# Altium PCB RADC-B00-V00.PcbDoc (part 2 of 3)
Units mil, origin at the board's own origin, x right, y up, seen from the top; angles counter-clockwise.
Board outline 3937.01 x 3937.01 mil, 4 copper layers (Top Layer, Mid-Layer 1, Mid-Layer 2, Bottom Layer); 167 components, 147 nets, 593 pads, 295 vias.
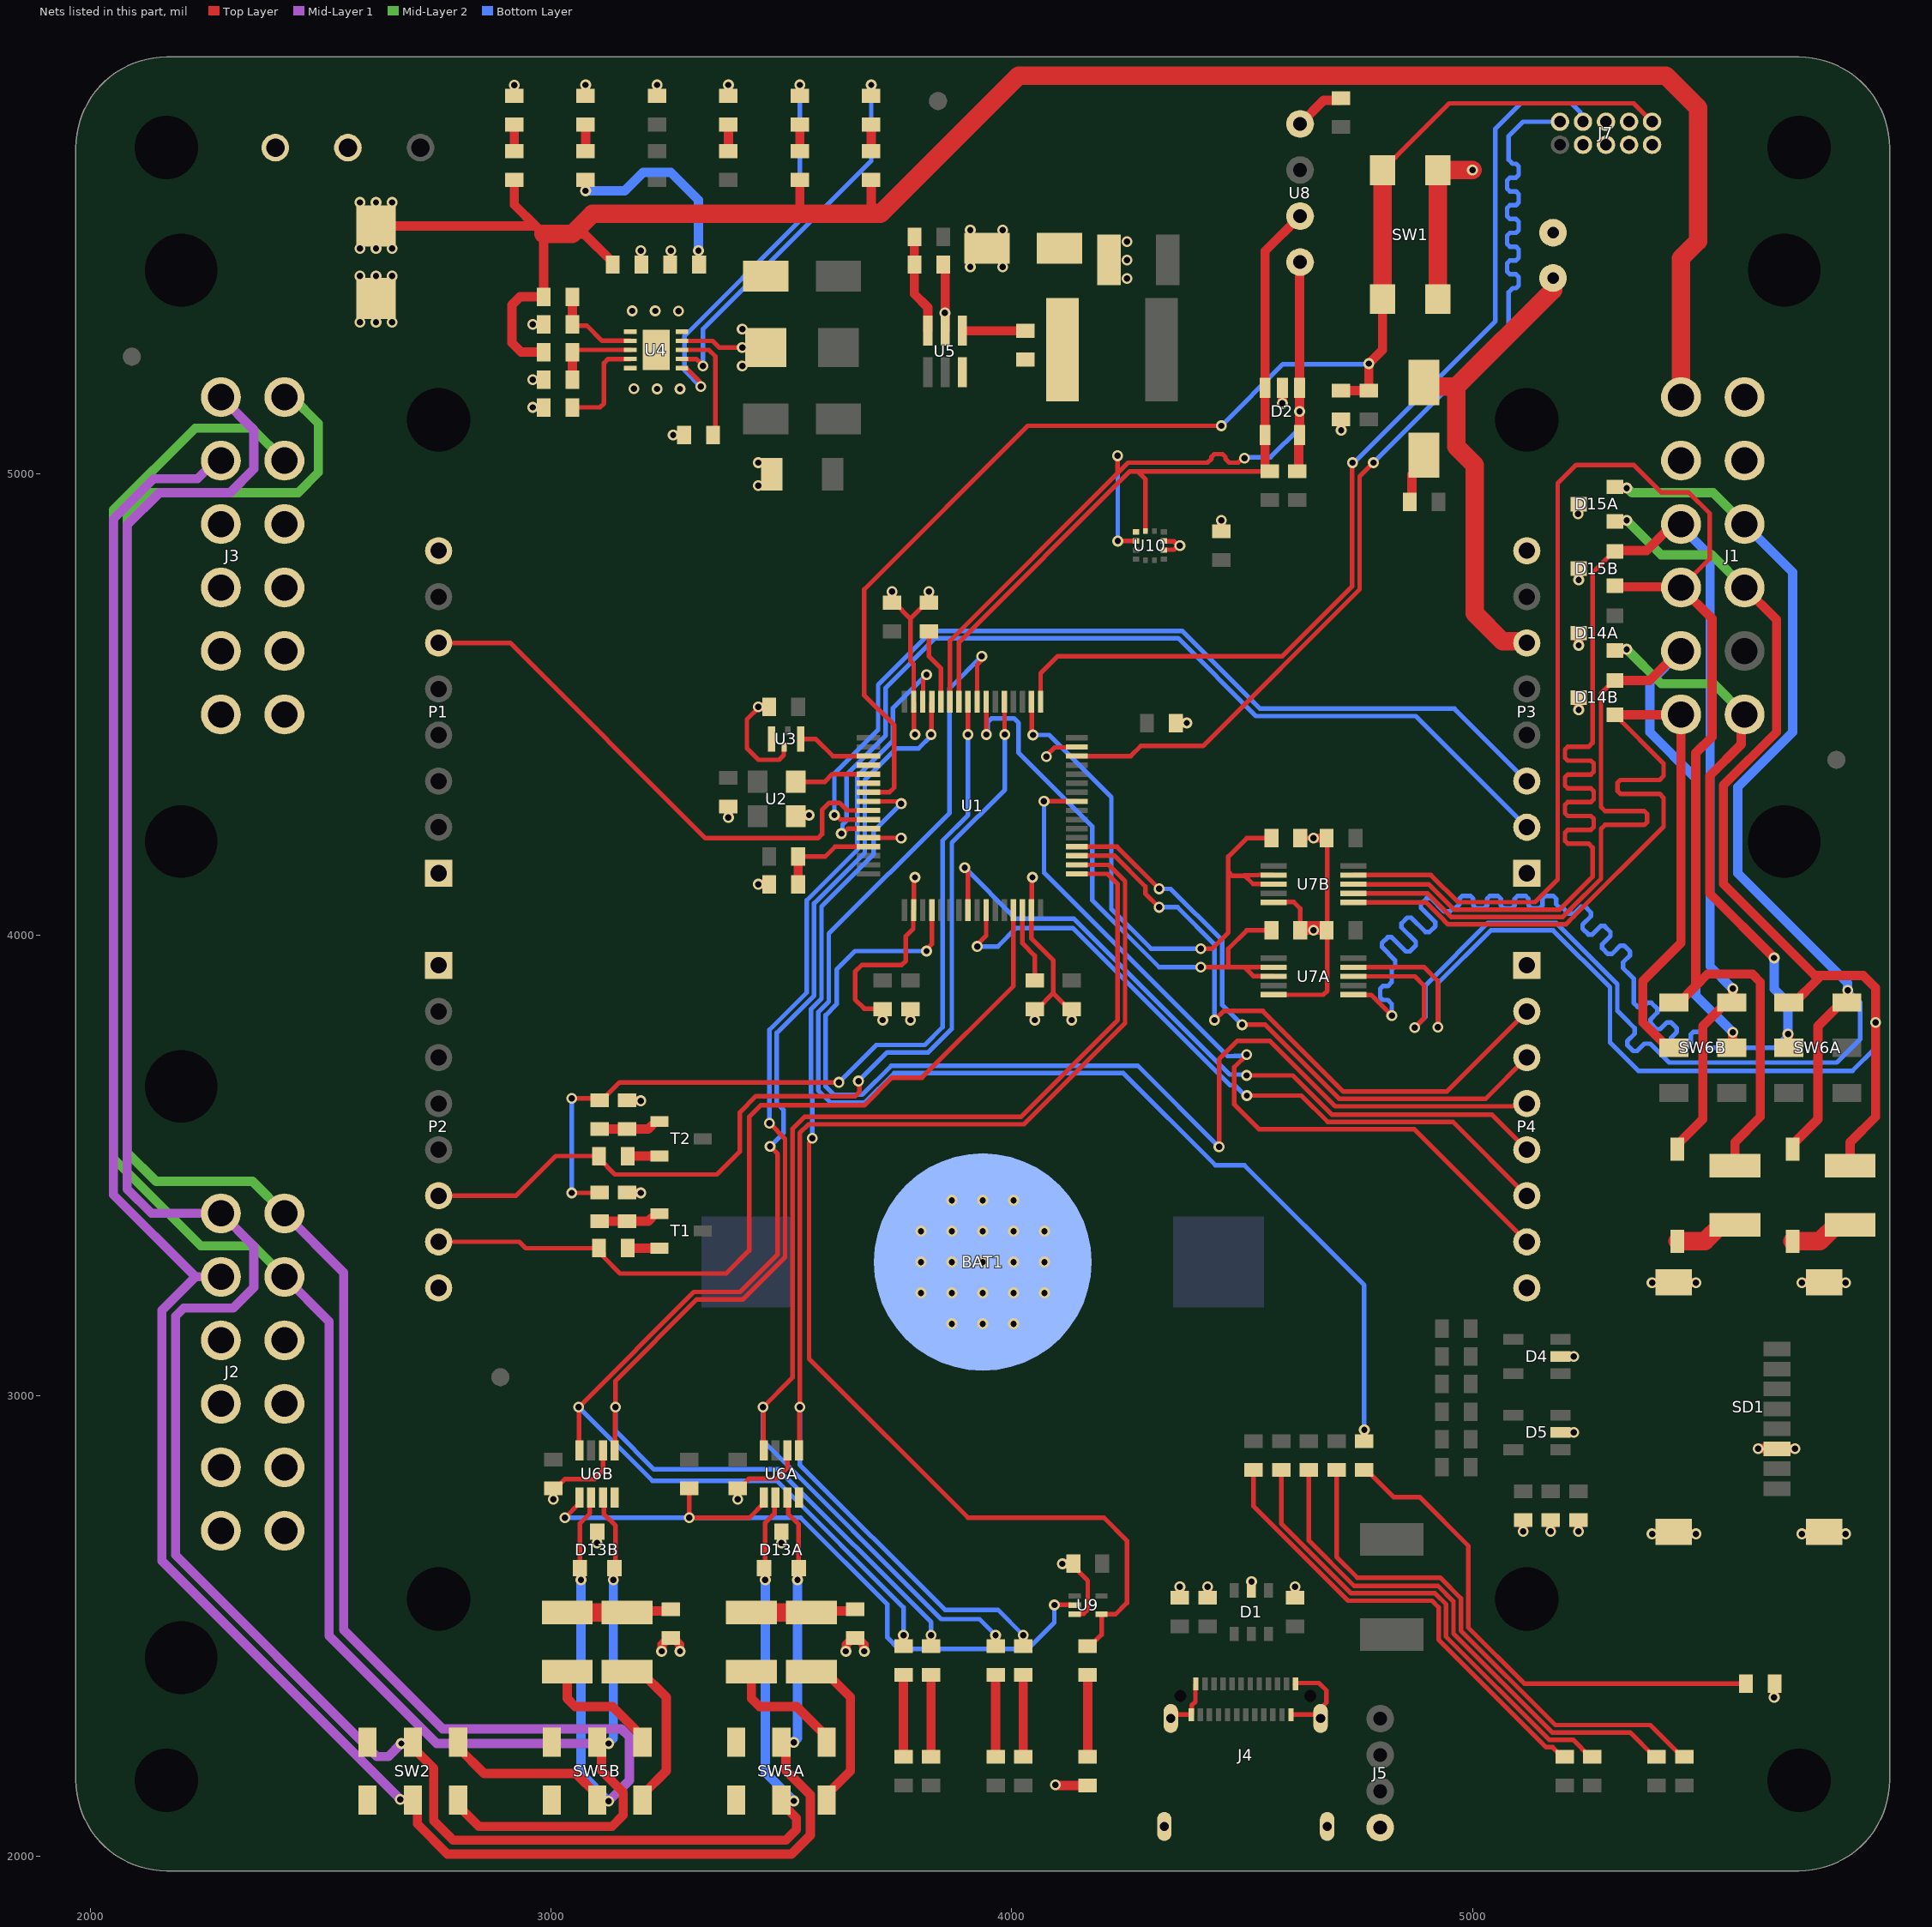
[diagram p4: the nets of this part, all layers, seen from the top]

## Via types
v1: diameter 23.62, hole 13.78, Top Layer to Bottom Layer, tented both sides, 295 vias

## Nets (pads, with @x,y where several pads share a name; then routed paths per layer and width w, separated by ;. In a path a pad name is that pad's centre, name@x,y a point inside that pad or via, vN(x,y) a via of type N, cw(c..) or ccw(c..) an arc to the next point about the centre after c; other vN are vias at no path point) (continued)
"3V3 LED": DS8.1 R31.1 | length 57.5
  Top Layer w20: R31.1@3385,5701.24 DS8.1@3385,5758.76
3V3A: C10.2 FB1.2 U1.13 | length 221.3
  Top Layer w10: FB1.2@3536.24,4170 3595,4170 3616.42,4191.42 U1.13@3688.62,4191.42
  Top Layer w20: C10.2@3536.24,4110 FB1.2@3536.24,4170
12V: C18.2 D7.A J1.6 J1.12 J2.4 J2.5 J2.10 J2.11 J3.4 J3.5 J3.10 J3.11 R17.2 R18.2 R19.2 R20.2 R21.2 TP2.1 U4.1 | length 4463.5
  Top Layer w20: D7.A@2620,5538.74 2966.26,5538.74 ; R17.2@2920,5638.76 2920,5585 2966.26,5538.74 ; R19.2@2983.76,5265 2935,5265 2915,5285 2915,5367.43 2932.57,5385 R18.2@2983.76,5385 2983.76,5521.24 2966.26,5538.74 ; 3046.24,5521.24 3072.53,5521.24 3133.76,5460 C18.2@3133.76,5455 ; 3540,5565 R21.2@3540,5638.76 R21.2@3545,5643.76 ; R20.2@3695,5638.76 3695,5585 3715,5565
  Top Layer w40: 2983.76,5521.24 3046.24,5521.24 3090,5565 3540,5565 3715,5565 4015,5865 5420,5865 5490,5795 5490,5506.09 5452.76,5468.85 J1.6@5452.76,5167.32
  other v1: 2585,5490 2620,5490 2655,5490 2585,5590 2620,5590 2655,5590
"12V LED": DS3.1 R17.1 | length 57.5
  Top Layer w20: R17.1@2920,5701.24 DS3.1@2920,5758.76
12VP: C19.2 D10.A R22.2 U4.10 | length 425.2
  Top Layer w20: v1(3075,5615) R22.2@3075,5638.76 R22.2@3080,5638.76
  Bottom Layer w20: v1(3075,5615) 3160,5615 3200,5655 3260,5655 3320,5595 v1(3320,5485)
"12VP LED": DS6.1 R22.1 | length 57.5
  Top Layer w20: R22.1@3075,5701.24 DS6.1@3075,5758.76
BACKUP: CS1.A D6.K P3.6 | length 1044.8
  Top Layer w40: D6.K@4895,5198.74 4903.74,5190 4965,5190 ; P3.6@5118.11,4633.86 5114.46,4637.5 5065.15,4637.5 5005,4697.65 5005,5020 4965,5060 4965,5190 ; CS1.A@5175,5425.79 5175,5420.38 5175,5400 4965,5190
"CAN1 RX": R36B.1 U1.61 U6B.4 | length 3025.2
  Top Layer w10: U6B.4@3061.61,2881.18 3060.81,2881.99 3060.81,2974.19 v1(3060,2975) 3310,3225 3410,3225 3492,3307 3492,3524.31 v1(3475.44,3540.87) ; v1(3825,4435) 3825.71,4435.71 3825.71,4505.67 U1.61@3826.42,4506.38
  Top Layer w20: R36B.1@3765,2456.24 v1(3765,2480)
  Bottom Layer w10: v1(3060,2975) 3220,2815 3490.15,2815 3765,2540.15 v1(3765,2480) ; v1(3475.44,3540.87) 3505,3570.44 3505,3620 3490,3635 3490,3787.37 3571,3868.37 3571,4068.37 3681,4178.37 3681,4336 3750,4405 3797.92,4405 3825,4432.08 v1(3825,4435)
"CAN1 TX": R35B.1 U1.62 U6B.1 | length 3073.6
  Top Layer w10: U6B.1@3138.39,2881.18 3139.19,2881.99 3139.19,2974.19 v1(3140,2975) 3140,3032.37 3316.63,3209 3416.63,3209 3508,3300.37 3508,3557.63 v1(3474.25,3591.38) ; U1.62@3806.73,4506.38 3807.64,4507.28 3807.64,4553.95 3815,4561.31 v1(3815,4565)
  Top Layer w20: R35B.1@3825,2456.24 v1(3825,2480)
  Bottom Layer w10: v1(3140,2975) 3140,2923.28 3223.28,2840 3493.43,2840 3825,2508.43 v1(3825,2480) ; v1(3474.25,3591.38) 3474,3591.63 3474,3794 3555,3875 3555,4075 3665,4185 3665,4345 3742.31,4422.31 3742.31,4492.31 v1(3815,4565)
CAN1_N: D13B.1 J2.1 J3.1 SW2.4 SW5B.2 U6B.6 | length 5355.6
  Top Layer w10: D13B.1@3062.6,2625.63 3062.6,2722.6 3084.27,2744.27 3084.27,2775.89 U6B.6@3087.2,2778.82
  Top Layer w20: SW2.4@2798.43,2247.99 2798.43,2236.18 2854.61,2180 3053.82,2180 3100,2133.82 SW5B.2@3100,2122.01 3102.01,2120 v1(3125,2120) ; D13B.1@3062.6,2625.63 3064.31,2623.92 3064.31,2600.69 v1(3065,2600)
  Mid-Layer 1 w20: J2.1@2421.26,3395.67 2550,3266.93 2550,2491.77 2764.96,2276.81 3152.43,2276.81 3170,2259.24 3170,2165 v1(3125,2120)
  Mid-Layer 2 w20: J2.1@2421.26,3395.67 2351.93,3465 2142.43,3465 2080,3527.43 2080,4910 2130,4960 2451.16,4960 2495,5003.84 2495,5110 2437.68,5167.32 J3.1@2421.26,5167.32
  Bottom Layer w20: v1(3065,2600) 3065,2180 v1(3125,2120)
CAN1_P: D13B.2 J2.2 J3.2 SW2.1 SW5B.5 U6B.7 | length 5036.7
  Top Layer w10: U6B.7@3112.8,2778.82 3114.64,2776.98 3114.64,2743.18 3140,2717.82 3140,2628.23 D13B.2@3137.4,2625.63
  Top Layer w20: SW2.1@2798.43,2122.01 2798.43,2110.2 2843.62,2065 3132.43,2065 3156.81,2089.38 3156.81,2139.01 3109.69,2186.13 3109.69,2238.31 SW5B.5@3102.99,2245 ; SW5B.5@3100,2247.99 SW5B.5@3102.99,2245 ; v1(3125,2245) SW5B.5@3102.99,2245 ; v1(3135,2600) 3135.69,2600.69 3135.69,2623.92 D13B.2@3137.4,2625.63
  Mid-Layer 1 w20: J2.2@2421.26,3257.87 2518.19,3160.94 2518.19,2478.59 2751.78,2245 v1(3125,2245)
  Mid-Layer 2 w20: J2.2@2421.26,3257.87 2354.13,3325 2240,3325 2050,3515 2050,4922.43 2227.57,5100 2350.79,5100 J3.2@2421.26,5029.53
  Bottom Layer w20: v1(3125,2245) 3125,2245.98 3135,2255.98 v1(3135,2600)
"CAN2 RX": R36A.1 U1.33 U6A.4 | length 2698.4
  Top Layer w10: U6A.4@3461.61,2881.18 3460.81,2881.99 3460.81,2974.19 v1(3460,2975) 3524,3039 3524,3579 3550,3605 4020,3605 4230,3815 4230,4110 4207.64,4132.36 U1.33@4141.38,4132.36
  Top Layer w20: R36A.1@3965,2456.24 v1(3965,2480)
  Bottom Layer w10: v1(3460,2975) 3460,2901.72 3846.72,2515 3930,2515 v1(3965,2480)
"CAN2 TX": R35A.1 U1.34 U6A.1 | length 2708.8
  Top Layer w10: U6A.1@3538.39,2881.18 3539.19,2881.99 3539.19,2974.19 v1(3540,2975) 3540,3570 3559,3589 4011.63,3589 4026.63,3589 4246,3808.37 4246,4116.63 4210.58,4152.05 U1.34@4141.38,4152.05
  Top Layer w20: R35A.1@4025,2456.24 v1(4025,2480)
  Bottom Layer w10: v1(3540,2975) 3540,2850 3855,2535 3970,2535 v1(4025,2480)
CAN2_N: D13A.1 J2.7 J3.7 SW2.5 SW5A.2 U6A.6 | length 5589.8
  Top Layer w10: D13A.1@3462.6,2625.63 3465,2628.03 3465,2723.9 3484.82,2743.72 3484.82,2776.44 U6A.6@3487.2,2778.82
  Top Layer w20: v1(2675,2245) 2691.18,2245 2745,2191.18 2745,2077.43 2787.43,2035 3509.65,2035 3532.74,2058.09 3532.74,2082.94 3515.17,2100.51 3509.69,2100.51 3500,2110.2 SW5A.2@3500,2122.01 3525.02,2122.01 v1(3526.81,2120.21) ; D13A.1@3462.6,2625.63 3464.31,2623.92 3464.31,2600.69 v1(3465,2600)
  Mid-Layer 1 w20: J3.7@2283.46,5167.32 2355,5095.79 2355,5011.53 2303.47,4960 2150,4960 2080,4890 2080,3448.32 2132.65,3395.67 J2.7@2283.46,3395.67 2355,3324.13 2355,3235 2310,3190 2202.57,3190 2185,3172.43 2185,2653.8 2621.97,2216.83 2646.83,2216.83 v1(2675,2245)
  Bottom Layer w20: v1(3465,2600) 3465,2182.02 v1(3526.81,2120.21)
CAN2_P: D13A.2 J2.8 J3.8 SW2.2 SW5A.5 U6A.7 | length 5208
  Top Layer w10: U6A.7@3512.8,2778.82 3514.86,2776.75 3514.86,2743.41 3537.4,2720.87 D13A.2@3537.4,2625.63
  Top Layer w20: v1(2672.89,2123.49) 2698.52,2123.49 SW2.2@2700,2122.01 2709.69,2112.32 2709.69,2070.31 2775,2005 3522.08,2005 3562.74,2045.66 3562.74,2133.08 3509.69,2186.13 SW5A.5@3509.69,2238.31 ; SW5A.5@3500,2247.99 3509.69,2247.99 3509.69,2247.06 v1(3526.68,2247.06) ; v1(3535,2600) 3535.69,2600.69 3535.69,2623.92 D13A.2@3537.4,2625.63
  Mid-Layer 1 w20: J2.8@2283.46,3257.87 2228.02,3257.87 ; J3.8@2283.46,5029.53 2272.11,5029.53 2232.58,4990 2137.57,4990 2050,4902.43 2050,3435.9 2228.02,3257.87 ; v1(2672.89,2123.49) 2155,2641.37 2155,3184.85 2228.02,3257.87
  Bottom Layer w20: v1(3526.68,2247.06) 3526.68,2248.04 3535,2256.37 v1(3535,2600)
"CAN FAULT": R1.1 U6A.5 U6B.5 U9.2 | length 1628.1
  Top Layer w10: v1(3030,2735) 3030.59,2735 3061.61,2766.02 U6B.5@3061.61,2778.82 ; v1(3300,2735) v1@3305,2740 ; R1.1@3300,2798.76 3300,2745 v1@3305,2740 ; U6A.5@3461.61,2778.82 3461.61,2766.02 3430.59,2735 3310,2735 v1@3305,2740 ; v1(4092.55,2545.62) 4093.12,2546.19 U9.2@4126.29,2546.19
  Bottom Layer w10: v1(3030,2735) v1(3300,2735) 3541.86,2735 3730,2546.86 3730,2475 3755,2450 4035,2450 4092.55,2507.55 v1(4092.55,2545.62)
"CAN FAULT INV": R46.2 U1.8 U9.4 | length 2502
  Top Layer w10: v1(3566.81,3558.89) 3566.81,3555.21 3560,3548.4 3560,3080 3905,2735 4200,2735 4250,2685 4250,2550 4225.63,2525.63 U9.4@4195,2525.63 4195,2481.24 4170,2456.24 R46.2@4165,2456.24 ; U1.8@3688.62,4289.84 3751.47,4289.84 3756.31,4285 v1(3760,4285)
  Bottom Layer w10: v1(3566.81,3558.89) 3566.81,3652.93 3564,3655.75 3564,3838.75 3587,3861.75 3587,4061.75 3700,4174.75 3700,4225 v1(3760,4285)
"CAN FAULT LED": DS1.1 R46.1 | length 177.5
  Top Layer w20: DS1.1@4165,2216.24 R46.1@4165,2393.76
"CAN N TERM": SW2.6
"CAN P TERM": SW2.3
"CAN RX LEDA": DS10A.2 R36A.2 | length 177.5
  Top Layer w20: DS10A.2@3965,2216.24 R36A.2@3965,2393.76
"CAN RX LEDB": DS10B.2 R36B.2 | length 177.5
  Top Layer w20: DS10B.2@3765,2216.24 R36B.2@3765,2393.76
"CAN SILENTA": U6A.8
"CAN SILENTB": U6B.8
"CAN SPLIT BTM UNUSEDA": SW5A.3
"CAN SPLIT BTM UNUSEDB": SW5B.3
"CAN SPLIT BTMA": R33A.1 SW5A.1 | length 352.9
  Top Layer w20: R33A.1@3565,2401.01 3594.53,2401.01 3650,2345.54 3650,2185.39 3598.43,2133.82 SW5A.1@3598.43,2122.01
"CAN SPLIT BTMB": R33B.1 SW5B.1 | length 352.9
  Top Layer w20: R33B.1@3165,2401.01 3194.53,2401.01 3250,2345.54 3250,2185.39 3198.43,2133.82 SW5B.1@3198.43,2122.01
"CAN SPLIT TOP UNUSEDA": SW5A.6
"CAN SPLIT TOP UNUSEDB": SW5B.6
"CAN SPLIT TOPA": R32A.2 SW5A.4 | length 268
  Top Layer w20: R32A.2@3435,2401.01 3435,2342.57 3452.57,2325 3533.23,2325 3598.43,2259.8 SW5A.4@3598.43,2247.99
"CAN SPLIT TOPB": R32B.2 SW5B.4 | length 268
  Top Layer w20: R32B.2@3035,2401.01 3035,2342.57 3052.57,2325 3133.23,2325 3198.43,2259.8 SW5B.4@3198.43,2247.99
"CAN SPLITA": C12A.2 R32A.1 R33A.2 | length 228
  Top Layer w20: R33A.2@3565,2528.99 3568.62,2532.61 3656.38,2532.61 C12A.2@3660,2536.24
  Top Layer w40: R32A.1@3435,2528.99 R33A.2@3565,2528.99
"CAN SPLITB": C12B.2 R32B.1 R33B.2 | length 228
  Top Layer w20: R33B.2@3165,2528.99 3168.62,2532.61 3256.38,2532.61 C12B.2@3260,2536.24
  Top Layer w40: R32B.1@3035,2528.99 R33B.2@3165,2528.99
"CAN TX LEDA": DS9A.2 R35A.2 | length 177.5
  Top Layer w20: DS9A.2@4025,2216.24 R35A.2@4025,2393.76
"CAN TX LEDB": DS9B.2 R35B.2 | length 177.5
  Top Layer w20: DS9B.2@3825,2216.24 R35B.2@3825,2393.76
"CAP CHARGE": D6.A R23.2 | length 114.2
  Top Layer w20: R23.2@4863.76,4940 4868.76,4945 4868.76,4999.28 D6.A@4895,5025.51 ; D6.A@4915,5025.51 D6.A@4915,5041.26
DETECT: P1.6 U1.9 | length 1177.6
  Top Layer w10: P1.6@2755.91,4633.86 2911.14,4633.86 3335,4210 3579.4,4210 3588.19,4218.79 3588.19,4271.11 3603.89,4286.81 3626.11,4286.81 3642.76,4270.16 U1.9@3688.62,4270.16
GND: BAT1.2 C1.1 C2.1 C3.1 C4.1 C5.1 C6.1 C7.1 C8.1 C9.1 C10.1 C11.1 C12A.1 C12B.1 C13.1 C14.1 C15.1 C16.1 C17.1 C18.1 C19.1 C21.1 C22.1 C23A.2 C23B.2 C24A.2 C24B.2 C25.1 CS1.K D1.2 D2.2 D4.2 D5.2 D7.K D9.A D11.K D13A.3 D13B.3 D14A.3 D14B.3 D15A.3 D15B.3 DS1.2 DS2.2 DS3.2 DS6.2 DS7.2 DS8.2 J1.5 J1.11 J2.3 J2.6 J2.9 J2.12 J3.3 J3.6 J3.9 J3.12 J4.A1 J4.A12 J4.B1 J4.B12 J4.S1 J4.S2 J4.S3 J4.S4 J5.4 J7.3 J7.7 J7.9 P1.1 P1.8 P2.1 P2.8 P3.1 P3.8 P4.1 P4.8 R3.1 R24.1 R25.1 R26.1 R27.1 R28.1 R34.1 R37.1 R41A.1 R41B.1 R44.1 R45.1 SD1.6 SD1.9 SD1.10 SD1.11 SD1.12 SW1.3 SW1.4 TP1.1 U1.12 U1.18 U1.31 U1.47 U1.63 U2.2 U3.2 U4.9 U4.11 U5.2 U6A.2 U6B.2 U7A.5 U7B.5 U8.1 U9.3 U10.1 U10.8 U10.9 | length 5439.2
  Top Layer w10: DS3.2@2920,5821.24 2920,5844.42 v1(2920.27,5844.69) ; v1(3005,2775) C23B.2@3005,2798.76 3010,2798.76 3030.24,2819 3094,2819 3112.8,2837.8 U6B.2@3112.8,2881.18 ; DS6.2@3075,5821.24 v1(3075,5845) ; DS7.2@3230,5821.24 v1(3230,5845) ; U4.9@3284.13,5289.45 3284.21,5289.37 3350.63,5289.37 3365,5275 v1(3415,5275) D11.K@3466.26,5275 ; DS8.2@3385,5821.24 v1(3385,5845) ; v1(3405,2775) C23A.2@3405,2798.76 3410,2798.76 3420,2808.76 3420,2810 3430,2820 3490,2820 3512.8,2842.8 U6A.2@3512.8,2881.18 ; v1(3450,4495) 3450,4492.94 3425,4467.94 3425,4405 3450,4380 3495,4380 3505.16,4390.16 3505.16,4406.38 U3.2@3506.06,4407.28 ; U1.12@3688.62,4211.1 3689.17,4210.55 3759.45,4210.55 v1(3760,4210) ; C9.1@3720,3838.76 3718.76,3840 3680,3840 3660,3860 3660,3920 3675,3935 3761.21,3935 3770,3943.79 3770,3997.37 3786.14,4013.51 3786.14,4052.72 3787.95,4054.53 3787.95,4122.95 v1(3790,4125) ; C8.1@3740,4721.24 3745,4721.24 3780,4686.24 ; v1(3790,4435) 3787.95,4437.05 3787.95,4505.47 U1.63@3787.05,4506.38 3787.05,4587.95 3780,4595 3780,4686.24 ; R3.1@3820,4721.24 3815,4721.24 3780,4686.24 ; v1(4045,4125) 4043.86,4123.86 4043.86,4054.53 U1.31@4042.95,4053.62 4042.95,3992.05 4090,3945 4090,3873.76 ; C11.1@4050,3838.76 4055,3838.76 4090,3873.76 ; v1(4075.14,4387.23) 4075.14,4389.09 4093.11,4407.05 4140.47,4407.05 U1.47@4141.38,4407.95 ; C6.1@4130,3838.76 4125,3838.76 4090,3873.76 ; C13.1@4133.76,2635 4133.76,2630 4165,2598.76 4165,2535.32 4156.21,2526.54 4137.64,2526.54 U9.3@4136.73,2525.63 ; U10.8@4330.51,4835.16 4331.42,4836.06 4352.38,4836.06 v1@4361.31,4845 ; U10.9@4330.51,4854.84 4331.42,4853.94 4352.38,4853.94 v1@4361.31,4845 ; J4.S1@4345.28,2299.25 4353.54,2307.52 J4.B12@4389.76,2307.52 4390.67,2308.43 4390.67,2327.64 4398.7,2335.67 4398.7,2373.54 J4.A1@4399.61,2374.45 ; v1(4365,4845) v1@4361.31,4845 ; D1.2@4520,2577.24 4520.24,2577.49 4520.24,2595.93 v1(4520.49,2596.17) ; U7A.5@4568.39,3870.63 4569.02,3870 4676.21,3870 4685,3878.79 4685,4008.76 C24A.2@4683.76,4010 ; U7B.5@4568.39,4070.63 4569.29,4071.54 4612.16,4071.54 4626.24,4057.46 R41A.1@4626.24,4016.88 ; J4.B1@4606.3,2307.52 J4.B1@4607.2,2308.43 ; J4.B1@4607.2,2312.76 J4.B1@4607.2,2308.43 ; J4.A12@4615.24,2373.54 J4.A12@4616.14,2374.45 4616.14,2375.37 4617.05,2376.28 4666.71,2376.28 4682.99,2359.99 4682.99,2333.34 4670.47,2320.82 J4.S2@4670.47,2299.25 4662.2,2307.52 4607.2,2307.52 J4.B1@4607.2,2308.43 ; R41A.1@4626.24,4010 4626.24,4015 4636.24,4025 4685,4025 4685,4208.76 C24B.2@4683.76,4210 ; R41B.1@4626.24,4210 v1(4655,4210)
  Top Layer w20: v1(3100,2680) D13B.3@3100,2704.37 ; R28.1@3165,3441.24 3165.62,3440.62 3194.38,3440.62 v1(3195,3440) ; R37.1@3165,3641.24 3165.62,3640.62 3194.38,3640.62 v1(3195,3640) ; v1(3240,2445) 3240.69,2445.69 3240.69,2459.46 3255,2473.76 C12B.1@3260,2473.76 3265,2473.76 3279.31,2459.46 3279.31,2445.69 v1(3280,2445) ; v1(3385,4255) C2.1@3385,4278.76 ; v1(3450,4110) C10.1@3473.76,4110 ; v1(3450,4495) C3.1@3473.76,4495 ; v1(3500,2680) D13A.3@3500,2704.37 ; U2.2@3531.34,4257.6 3533.05,4259.31 3559.31,4259.31 v1(3560,4260) ; U2.2@3531.34,4267.6 U2.2@3533.05,4269.31 ; v1(3640,2445) 3640.69,2445.69 3640.69,2459.46 3655,2473.76 C12A.1@3660,2473.76 3665,2473.76 3679.31,2459.46 3679.31,2445.69 v1(3680,2445) ; v1(3720,3815) C9.1@3720,3838.76 ; C8.1@3740,4721.24 v1(3740,4745) ; v1(3780,3815) C5.1@3780,3838.76 ; R3.1@3820,4721.24 v1(3820,4745) ; R34.1@3851.24,5455 3855.41,5450.82 U5.2@3855.41,5311.7 ; v1(4050,3815) C11.1@4050,3838.76 ; v1(4095,2155) 4095.98,2155 4097.22,2153.76 DS1.2@4165,2153.76 ; v1(4110,2635) C13.1@4133.76,2635 ; v1(4130,3815) C6.1@4130,3838.76 ; C7.1@4356.24,4460 v1(4380,4460) ; C1.1@4365,2561.24 v1(4365,2585) ; R44.1@4425,2561.24 v1(4425,2585) ; C14.1@4455,4876.24 v1(4455,4900) ; v1(4587.42,5153.56) D2.2@4587.4,5187.36 ; R45.1@4615,2561.24 v1(4615,2585) ; U8.1@4625.98,5760.24 4676.98,5811.24 4710,5811.24 C25.1@4715,5816.24 ; R41A.1@4626.24,4010 v1(4655,4010) C24A.2@4683.76,4010 ; v1(4655,4210) C24B.2@4683.76,4210 ; v1(4715,5095) C4.1@4715,5118.76 ; v1(5110,2705) C16.1@5110,2730 ; v1(5170,2705) C17.1@5170,2730 ; D5.2@5191.18,2920 v1(5220,2920) ; D4.2@5191.18,3085 v1(5220,3085) ; v1(5229.16,4914.16) 5229.85,4914.85 5229.85,4934.22 D15A.3@5230.63,4935 ; v1(5230,2705) C15.1@5230,2730 ; v1(5230.61,4770.61) D15B.3@5230.63,4795 ; v1(5230.62,4488.68) D14B.3@5230.63,4515 ; v1(5230.63,4628.49) D14A.3@5230.63,4655 ; SD1.10@5436.61,2704.33 5440.25,2700.69 5484.31,2700.69 v1(5485,2700) ; SD1.11@5436.61,3245.67 5436.95,3245.33 5484.67,3245.33 v1(5485,3245) ; v1@5620.18,2885.18 SD1.6@5658.8,2885.18 ; v1(5655,2345) 5655.62,2345.62 5655.62,2374.38 DS2.2@5656.24,2375 ; SD1.6@5661.02,2884.65 5661.2,2884.82 5699.82,2884.82 v1(5700,2885) ; v1(5715,2700) 5715.69,2700.69 5759.75,2700.69 SD1.9@5763.39,2704.33 ; v1(5715,3245) 5715.33,3245.33 5763.05,3245.33 SD1.12@5763.39,3245.67
  Top Layer w40: SW1.3@4925,5380 SW1.4@4925,5660 v1(5000,5660)
  other v1: 5390,2700 5810,2700 5620,2885 3870,3155.98 3937.01,3155.98 4004.02,3155.98 3802.99,3222.99 3870,3222.99 3937.01,3222.99 4004.02,3222.99 4071.02,3222.99 5390,3245 5810,3245 3802.99,3290 3870,3290 3937.01,3290 4004.02,3290 4071.02,3290 3802.99,3357.01 3870,3357.01 3937.01,3357.01 4004.02,3357.01 4071.02,3357.01 3870,3424.02 3937.01,3424.02 4004.02,3424.02 3450,4975 3450,5025 3265,5085 2960,5145 3179.65,5185.35 3230,5185 3280,5185 2960,5205 3415,5235 3415,5315 2960,5325 2585,5330 2620,5330 2655,5330 3855,5350 3276.41,5354.18 3176.06,5354.53 3226.06,5354.53 4250,5425 2585,5430 2620,5430 2655,5430 3910,5450 3980,5450 4250,5465 3195,5485 3260,5485 4250,5505 3910,5530 3980,5530
"I2C1 SCL": D2.3 D2.4 R10.1 U1.58 U8.3 U10.12 | length 1681.3
  Top Layer w10: U1.58@3885.47,4506.38 3885.47,4635.22 4256.49,5006.24 4273.25,5006.24 ; U10.12@4290.16,4876.5 4290.08,4876.57 4290.08,4989.4 4273.25,5006.24 ; R10.1@4555,5006.24 4273.25,5006.24
  Top Layer w20: R10.1@4560,5006.24 4555,5006.24 4550,5011.24 D2.4@4550,5085 D2.3@4550,5187.36 4550,5484.25 U8.3@4625.98,5560.24
"I2C1 SDA": D2.1 D2.5 R9.1 U1.59 U8.4 U10.2 | length 1856.2
  Top Layer w10: U1.59@3865.79,4506.38 3865.79,4638.16 4231.31,5003.69 ; v1(4230,5040) 4230,5005 4231.31,5003.69 ; v1@4230.15,4854.85 U10.2@4269.49,4854.84 ; v1(4505,5035) 4501.31,5035 4495,5028.69 4491.31,5025 4472.46,5025 4463.68,5033.79 4463.68,5037.6 4457.68,5043.6 4439.68,5043.6 4433.68,5037.6 4433.68,5033.79 4424.89,5025 4419.89,5025 4252.63,5025 4231.31,5003.69
  Top Layer w20: R9.1@4620,5006.24 4622.99,5009.23 4622.99,5083.19 D2.5@4624.8,5085 v1(4624.8,5136.18) D2.1@4624.8,5187.36 4625,5187.56 4625,5459.25 U8.4@4625.98,5460.24
  Bottom Layer w10: v1(4230,5040) 4230.07,5039.93 v1(4230.15,4854.85) v1(4230.15,4854.85) ; v1(4505,5035) 4506.72,5036.72 4561.72,5036.72 4624.8,5099.8 v1(4624.8,5136.18)
"I2C2 EN": R5.2 R6.2 U1.57 | length 1867.1
  Top Layer w10: v1(3045,3440) 3103.76,3440 R5.2@3105,3441.24 ; v1(3045,3645) 3101.24,3645 R6.2@3105,3641.24 3110,3641.24 3148.76,3680 v1(3625,3680) ; v1(3905,4435) 3905.08,4435.08 3905.08,4506.3 U1.57@3905.16,4506.38
  Bottom Layer w10: v1(3045,3440) v1(3045,3645) ; v1(3625,3680) 3706,3761 3811,3761 3850,3800 3850,4205 3905,4260 v1(3905,4435)
"I2C2 SCL": P2.7 R42.1 U1.29 | length 1874.5
  Top Layer w10: P2.7@2755.91,3333.86 2931.14,3333.86 2945,3320 R42.1@3103.76,3320 3113.76,3310 3113.76,3301.24 3150,3265 3380,3265 3430,3315 3430,3605 3455,3630 3680,3630 3740,3690 3805,3690 4003.58,3888.58 U1.29@4003.58,4053.62
"I2C2 SCL EN": R5.1 R28.2 T1.B | length 136.6
  Top Layer w20: R5.1@3105,3378.76 R28.2@3165,3378.76 3211.09,3378.76 3227.13,3394.8 T1.B@3235,3394.8
"I2C2 SDA": P2.6 R43.1 U1.53 | length 2125.1
  Top Layer w10: P2.6@2755.91,3433.86 2923.86,3433.86 3010,3520 R43.1@3103.76,3520 3103.76,3515 3138.76,3480 3360,3480 3410,3530 3410,3615 3445,3650 3660.37,3650 3669.15,3658.79 3669.15,3680.85 v1(3667.23,3682.77) ; U1.53@3983.9,4506.38 3984.45,4505.83 3984.45,4435.55 v1(3985,4435)
  Bottom Layer w10: v1(3667.23,3682.77) 3729.46,3745 3818.78,3745 3870,3796.22 3870,4200 3985,4315 v1(3985,4435)
"I2C2 SDA EN": R6.1 R37.2 T2.B | length 136.6
  Top Layer w20: R6.1@3105,3578.76 R37.2@3165,3578.76 3211.09,3578.76 3227.13,3594.8 T2.B@3235,3594.8
"JTAG 5": J7.5
"JTAG 6": J7.6
"JTAG 8": J7.8
"MCU BOOT0": R3.2 U1.60 | length 163.2
  Top Layer w10: R3.2@3820,4658.76 3820,4605 3846.1,4578.9 U1.60@3846.1,4506.38
"MCU LED": R2.2 U1.56 | length 2944.3
  Top Layer w10: U1.56@3924.84,4506.38 3924.84,4586.16 3932.39,4593.71 3932.39,4602.39 v1(3935,4605) ; R2.2@4765,2901.24 4765.29,2901.53 v1(4765.29,2925.91)
  Bottom Layer w10: v1(3935,4605) 3865,4535 3865,4265 3603,4003 3603,3855.12 3580,3832.12 3580,3662.37 3606.19,3636.19 3681.19,3636.19 3745,3700 4242.08,3700 4442.08,3500 4505,3500 4765,3240 4765,2926.2 v1(4765.29,2925.91)
"MCU LED A": DS2.1 R2.1 | length 1124.8
  Top Layer w10: R2.1@4765,2838.76 4770,2838.76 4828.76,2780 4885,2780 4991,2674 4991,2496.63 5112.63,2375 DS2.1@5593.76,2375
"MCU RESET": C4.2 J7.10 R4.1 SW1.1 SW1.2 U1.7 | length 3031.4
  Top Layer w10: U1.7@3688.62,4309.53 3734.53,4309.53 3745,4320 3745,4455 3680,4520 3680,4750 4035,5105 v1(4455,5105) ; SW1.2@4805,5660 4805,5665 4827.5,5687.5 4832.5,5687.5 4950,5805 5350,5805 J7.10@5390,5765
  Top Layer w20: C4.2@4715,5181.24 R4.1@4775,5181.24 v1(4775,5240) 4805,5270 SW1.1@4805,5380
  Top Layer w40: SW1.1@4805,5380 SW1.2@4805,5660
  Bottom Layer w10: v1(4455,5105) 4588.72,5238.72 4773.72,5238.72 v1(4775,5240)
"MCU SWDCLK": J7.4 U1.49 | length 2177.9
  Top Layer w10: U1.49@4062.64,4506.38 4062.64,4567.64 4100,4605 4587.37,4605 4739,4756.63 4739,5024 v1(4740,5025)
  Bottom Layer w10: v1(4740,5025) 4742.92,5025 5050,5332.08 5050,5400 5050,5680 5050,5750 5105,5805 5215,5805 5234.26,5785.74 5234.26,5770.74 J7.4@5240,5765
"MCU SWDIO": J7.2 U1.46 | length 2176.2
  Top Layer w10: U1.46@4141.38,4388.27 4258.27,4388.27 4280,4410 4415,4410 4755,4750 4755,4995 v1(4785,5025)
  Bottom Layer w10: v1(4785,5025) 5078.81,5318.81 5078.81,5360 5078.81,5395 5087.6,5403.79 5094.47,5403.79 5100.47,5409.79 5100.47,5427.79 5094.47,5433.79 5081.35,5433.79 5075.35,5439.79 5075.35,5457.79 5081.35,5463.79 5094.47,5463.79 5100.47,5469.79 5100.47,5487.79 5094.47,5493.79 5081.35,5493.79 5075.35,5499.79 5075.35,5517.79 5081.35,5523.79 5094.47,5523.79 5100.47,5529.79 5100.47,5547.79 5094.47,5553.79 5081.35,5553.79 5075.35,5559.79 5075.35,5577.79 5081.35,5583.79 5094.47,5583.79 5100.47,5589.79 5100.47,5607.79 5094.47,5613.79 5081.35,5613.79 5075.35,5619.79 5075.35,5637.79 5081.35,5643.79 5094.47,5643.79 5100.47,5649.79 5100.47,5667.79 5094.47,5673.79 5087.6,5673.79 5078.81,5682.57 5078.81,5705.24 5078.81,5733.81 5110,5765 J7.2@5190,5765
"MCU VCAP1": C11.2 U1.30 | length 163.5
  Top Layer w10: U1.30@4023.27,4053.62 4023.27,3981.73 4050,3955 C11.2@4050,3901.24
"MODULE 1": P3.3 U1.10 | length 1991.4
  Top Layer w10: v1(3615,4260) 3618.69,4260 3628.21,4250.47 U1.10@3688.62,4250.47
  Bottom Layer w10: v1(3615,4260) 3615,4350 3710,4445 3710,4542.63 3827.37,4660 4370,4660 4539,4491 4960.97,4491 P3.3@5118.11,4333.86
"MODULE 3": P4.2 U1.35 | length 1382.7
  Top Layer w10: U1.35@4141.38,4171.73 4223.27,4171.73 4290,4105 4290,4090 v1(4320,4060) ; v1(4440,3815) 4460,3835 4545,3835 4720,3660 4944.25,3660 P4.2@5118.11,3833.86
  Bottom Layer w10: v1(4320,4060) 4360,4060 4440,3980 v1(4440,3815)
"MODULE 4": P4.3 U1.36 | length 1322.7
  Top Layer w10: U1.36@4141.38,4191.42 4228.58,4191.42 v1(4320,4100) ; v1(4500,3805) 4550,3805 4711,3644 5028.25,3644 P4.3@5118.11,3733.86
  Bottom Layer w10: v1(4320,4100) 4345,4100 4456.99,3988.01 4456.99,3848.01 v1(4500,3805)
"MODULE 5": P4.4 U1.20 | length 2465
  Top Layer w10: v1(3815,3965) 3815,3968.69 3826.42,3980.1 U1.20@3826.42,4053.62 ; v1(4450,3540) 4450,3730 4490,3770 4560,3770 4702,3628 5112.25,3628 P4.4@5118.11,3633.86
  Bottom Layer w10: v1(3815,3965) 3660,3965 3620,3925 3620,3849.49 3596,3825.49 3596,3671.08 3613.89,3653.19 3675.56,3653.19 3738.37,3716 4274,3716 v1(4450,3540)
"MODULE 6": P4.5 U1.24 | length 1569.4
  Top Layer w10: v1(3897.88,4146.16) 3905.16,4138.88 U1.24@3905.16,4053.62 ; v1(4510,3695) 4610,3695 4695,3610 5041.97,3610 P4.5@5118.11,3533.86
  Bottom Layer w10: v1(3897.88,4146.16) 4009.04,4035 4135,4035 4473.19,3696.81 4508.19,3696.81 v1(4510,3695)
"MODULE 7": P4.6 U1.26 | length 1537.1
  Top Layer w10: v1(3925,3975) 3925,3978.69 3944.53,3998.21 U1.26@3944.53,4053.62 ; v1(4510.36,3651.32) 4628.68,3651.32 4686,3594 4957.97,3594 P4.6@5118.11,3433.86
  Bottom Layer w10: v1(3925,3975) 3970,3975 4010,4015 4132.37,4015 4473.64,3673.73 4484.26,3673.73 4506.67,3651.32 v1(4510.36,3651.32)
"MODULE 8": P4.7 U1.41 | length 1710.3
  Top Layer w10: v1(4070,4290) 4070.08,4289.92 4141.3,4289.92 U1.41@4141.38,4289.84 ; v1(4510,3740) 4483.19,3713.19 4483.19,3631.81 4537,3578 4873.97,3578 P4.7@5118.11,3333.86
  Bottom Layer w10: v1(4070,4290) 4070,4135 4468.19,3736.81 4483.13,3736.81 4483.71,3737.39 4507.39,3737.39 v1(4510,3740)
"MOUDLE 2": P3.2 U1.11 | length 2025.6
  Top Layer w10: v1(3630,4220) 3633.69,4220 3644.47,4230.79 U1.11@3688.62,4230.79
  Bottom Layer w10: v1(3630,4220) 3632.61,4222.61 3632.61,4239.69 3641.81,4248.89 3641.81,4348.69 3726.31,4433.19 3726.31,4536.31 3834,4644 4361,4644 4530,4475 4876.97,4475 P3.2@5118.11,4233.86
NetR42_2: R42.2 T1.E | length 68.8
  Top Layer w20: R42.2@3166.24,3320 T1.E@3235,3320
NetR43_2: R43.2 T2.E | length 68.8
  Top Layer w20: R43.2@3165.72,3520 T2.E@3234.48,3520
"OSC32 NC": U3.1
"OSC 8Mhz": U1.5 U2.3 | length 173.3
  Top Layer w10: U2.3@3531.34,4332.4 3594.16,4332.4 3610.66,4348.9 U1.5@3688.62,4348.9 ; U2.3@3531.34,4342.4 U2.3@3537.83,4348.9
"OSC 8MHz NC": U1.6
"OSC 32kHz": U1.3 U3.3 | length 162.3
  Top Layer w10: U3.3@3541.5,4425 3575,4425 3611.73,4388.27 U1.3@3688.62,4388.27
"OSC 32KHz NC": U1.4
"PWR CB 3V3": C20.1 U5.1 | length 137.7
  Top Layer w20: U5.1@3892.81,5311.7 3892.81,5311.24 C20.1@4030,5311.24
"PWR CLMODE": R27.2 U4.4 | length 220.4
  Top Layer w10: R27.2@3046.24,5145 3106.21,5145 3115,5153.79 3115,5241.21 3123.79,5250 3171.85,5250 U4.4@3171.93,5250.08
"PWR EN 12V": U4.5
"PWR FB 3V3": R30.1 R34.2 U5.3 | length 215.4
  Top Layer w20: R30.1@3788.76,5515 R34.2@3788.76,5455 3788.76,5391.24 3818.01,5361.99 U5.3@3818.01,5311.7
"PWR FLAG": DS5.2 U4.6 | length 835.5
  Top Layer w10: U4.6@3284.13,5230.39 3292.83,5230.39 3322.39,5200.84 3322.39,5192.61 v1(3325,5190)
  Bottom Layer w10: v1(3325,5190) 3290,5225 3290,5300 3540,5550 v1(3540,5845)
"PWR LED FLAG": DS5.1 R21.1 | length 57.5
  Top Layer w20: R21.1@3540,5701.24 DS5.1@3540,5758.76
"PWR LED UVOV": DS4.1 R20.1 | length 57.5
  Top Layer w20: R20.1@3695,5701.24 DS4.1@3695,5758.76
"PWR OVLO": R19.1 R25.2 U4.3 | length 187.7
  Top Layer w10: R19.1@3046.24,5265 3051,5269.76 U4.3@3171.93,5269.76
  Top Layer w20: R25.2@3046.24,5205 R19.1@3046.24,5265
"PWR SETI": R26.2 U4.8 | length 251.3
  Top Layer w10: U4.8@3284.13,5269.76 3342.45,5269.76 3356.81,5255.4 3356.81,5090.57 R26.2@3351.24,5085
"PWR SW 3V3": C20.2 D9.K L1.1 U5.6
"PWR UVLO": R18.1 R24.2 U4.2 | length 200.4
  Top Layer w10: R24.2@3046.24,5325 3048.69,5322.55 3077.45,5322.55 3110.55,5289.45 U4.2@3171.93,5289.45
  Top Layer w20: R24.2@3046.24,5325 R18.1@3046.24,5385
"PWR UVOV": DS4.2 U4.7 | length 837.1
  Top Layer w10: U4.7@3284.13,5250.08 3314.92,5250.08 v1(3330,5235) ; DS4.2@3695,5821.24 v1(3695,5845)
  Bottom Layer w10: v1(3330,5235) 3330,5315 3695,5680 v1(3695,5845)
"RS485 RX LEDA": DS12A.2 R39A.2 | length 1020
  Top Layer w10: R39A.2@4525,2838.76 4525,2760 4730,2555 4912.12,2555 4926.67,2540.45 4926.67,2470.45 5160.12,2237 5174.24,2237 5195,2216.24 DS12A.2@5200,2216.24
"RS485 RX LEDB": DS12B.2 R39B.2 | length 1143.8
  Top Layer w10: R39B.2@4645,2838.76 4645,2685.25 4743.25,2587 4925.37,2587 4959,2553.37 4959,2502.49 4959,2483.37 5173.37,2269 5192.49,2269 5342.24,2269 5395,2216.24 DS12B.2@5400,2216.24
"RS485 TERMA": R40A.1 SW4A.2 | length 139.9
  Top Layer w40: SW4A.2@5695,3335 5754.46,3335 5790.47,3371.01 R40A.1@5820,3371.01
"RS485 TERMB": R40B.1 SW4B.2 | length 139.9
  Top Layer w40: SW4B.2@5445,3335 5504.46,3335 5540.47,3371.01 R40B.1@5570,3371.01
"RS485 TX LEDA": DS11A.2 R38A.2 | length 1041.9
  Top Layer w10: R38A.2@4585,2838.76 4585,2722.63 4736.63,2571 4918.75,2571 4942.67,2547.07 4942.67,2477.07 5166.75,2253 5218.24,2253 5255,2216.24 DS11A.2@5260,2216.24
"RS485 TX LEDB": DS11B.2 R38B.2 | length 1164.4
  Top Layer w10: R38B.2@4705,2838.76 4705,2650 4750,2605 4930,2605 4975,2560 4975,2490 5180,2285 5386.24,2285 5455,2216.24 DS11B.2@5460,2216.24
"RS485A A": D15B.1 J1.3 R40B.2 SW6B.3 U7B.9 | length 3618.5
  Top Layer w10: U7B.9@4741.61,4129.69 4741.93,4130 4910,4130 4969,4071 5135.52,4071 5185,4120.48 5185,4980 5225,5020 5350,5020 5410,4960 5470,4960 5515,4915 5515,4816.18 J1.3@5452.76,4753.94
  Top Layer w20: D15B.1@5309.37,4757.6 5311.2,4755.77 5450.93,4755.77 J1.3@5452.76,4753.94 5520,4686.69 5520,4430 5485,4395 5485,3889.61 ; SW6B.3@5437.01,3853.43 5448.82,3853.43 5485,3889.61 ; R40B.2@5570,3498.99 5570,3550 5625,3605 5625,3897.43 5607.43,3915 5510.39,3915 5485,3889.61
"RS485A B": D15B.2 J1.4 SW4B.1 SW6B.6 U7B.8 | length 3360
  Top Layer w10: U7B.8@4741.61,4110 4905.25,4110 4960.25,4055 5189.75,4055 5260.84,4126.1 5260.84,4184.4 5260.84,4189.4 5252.05,4198.18 5207,4198.18 5201,4204.18 5201,4222.18 5207,4228.18 5257.16,4228.18 5263.16,4234.18 5263.16,4252.18 5257.16,4258.18 5207,4258.18 5201,4264.18 5201,4282.18 5207,4288.18 5257.16,4288.18 5263.16,4294.18 5263.16,4312.18 5257.16,4318.18 5207,4318.18 5201,4324.18 5201,4342.18 5207,4348.18 5257.16,4348.18 5263.16,4354.18 5263.16,4372.18 5257.16,4378.18 5207,4378.18 5201,4384.18 5201,4402.18 5207,4408.18 5252.05,4408.18 5260.84,4416.97 5260.84,4440 5260.84,4785.84 5307.4,4832.4 D15B.2@5309.37,4832.4
  Top Layer w20: D15B.2@5309.37,4832.4 5311.06,4834.09 5378.44,4834.09 5436.09,4891.73 J1.4@5452.76,4891.73 ; SW4B.1@5445,3535 5445,3545.04 5500,3600.04 5500,3802.24 5551.18,3853.43 SW6B.6@5562.99,3853.43 5565,3855.43 v1(5565,3883.19)
  Bottom Layer w20: J1.4@5452.76,4891.73 5452.76,4886.39 5516.06,4823.08 5516.06,3932.13 v1(5565,3883.19)
"RS485A DIR": R41B.2 U1.50 U7B.2 U7B.3 | length 1294.6
  Top Layer w10: U1.50@4042.95,4506.38 4043.86,4505.47 4043.86,4436.14 v1(4046.04,4433.96) ; v1(4410,3970) 4435,3970 4470,4005 4470,4136.98 ; 4535.29,4129.69 4504.69,4129.69 ; 4537.16,4130.59 4567.48,4130.59 U7B.2@4568.39,4129.69 ; R41B.2@4563.76,4210 4510,4210 4470,4170 4470,4136.98 ; U7B.3@4568.39,4110 4567.8,4110.59 4523.78,4110.59 4504.69,4129.69 ; 4470,4136.98 4478.79,4128.19 4503.19,4128.19 4504.69,4129.69
  Bottom Layer w10: v1(4046.04,4433.96) 4081.04,4433.96 4216.31,4298.69 4216.31,4056.31 4302.63,3970 v1(4410,3970)
"RS485A Y": D14B.1 J1.1 SW6B.2 U7B.6 | length 2185.5
  Top Layer w10: U7B.6@4741.61,4070.63 4899.37,4070.63 4930,4040 4947,4023 5203,4023 5220,4040 5415,4235 5415,4292.5 5415,4297.5 5406.21,4306.29 5321,4306.29 5315,4312.29 5315,4330.29 5321,4336.29 5406.21,4336.29 5415,4345.07 5415,4355 5415,4371.97 D14B.1@5309.37,4477.6
  Top Layer w20: D14B.1@5309.74,4477.97 5452.38,4477.97 J1.1@5452.76,4478.35 5452.76,3982.76 5370,3900 5370,3810 5387.57,3792.43 5387.77,3792.43 5425.2,3755 SW6B.2@5437.01,3755
"RS485A Z": D14B.2 J1.2 SW6B.5 U7B.7 | length 2354.4
  Top Layer w10: U7B.7@4741.61,4090.32 4902.31,4090.32 4936.63,4056 4953.63,4039 5196.37,4039 5213.37,4056 5279.16,4121.79 5279.16,4195 5279.16,4230 5287.95,4238.79 5373.16,4238.79 5379.16,4244.79 5379.16,4262.79 5373.16,4268.79 5287.95,4268.79 5279.16,4277.57 5279.16,4285 5279.16,4524.16 5307.4,4552.4 D14B.2@5309.37,4552.4
  Top Layer w20: D14B.2@5309.37,4552.4 5384.54,4552.4 5448.28,4616.14 J1.2@5452.76,4616.14 ; SW6B.5@5562.99,3755 5565,3757.01 v1(5565,3788.81)
  Bottom Layer w20: J1.2@5452.76,4616.14 5385,4548.39 5385,4440 5485,4340 5485,3868.81 v1(5565,3788.81)
"RS485B A": D15A.1 J1.9 R40A.2 SW6A.3 U7A.9 | length 3649.8
  Top Layer w10: U7A.9@4741.61,3929.68 4895.31,3929.68 4925,3900 v1(4925,3800)
  Top Layer w20: D15A.1@5309.37,4897.6 5311.08,4899.31 5334.31,4899.31 v1(5335,4900) ; J1.9@5590.55,4753.94 5660,4684.49 5660,4440 5545,4325 5545,4110.39 5750.39,3905 5698.82,3853.43 SW6A.3@5687.01,3853.43 ; 5743.58,3911.81 5848.19,3911.81 5875,3885 v1(5875,3810) 5875,3605 5820,3550 R40A.2@5820,3498.99
  Mid-Layer 2 w20: v1(5335,4900) 5410,4825 5519.49,4825 J1.9@5590.55,4753.94
  Bottom Layer w10: v1(4925,3800) 4925,3895 5040,4010 5175,4010 5298.56,3886.44 5298.56,3766.44 5360,3705 5825,3705 5875,3755 v1(5875,3810)
"RS485B B": D15A.2 J1.10 SW4A.1 SW6A.6 U7A.8 | length 3637.5
  Top Layer w10: U7A.8@4741.61,3910 4875,3910 4895,3890 4895,3819.05 v1(4874.59,3798.64)
  Top Layer w20: D15A.2@5309.37,4972.4 5311.08,4970.69 5334.31,4970.69 v1(5335,4970) ; SW4A.1@5695,3535 5695,3545.04 5750,3600.04 5750,3802.24 5801.18,3853.43 SW6A.6@5812.99,3853.43 5815,3855.43 v1(5815,3880)
  Mid-Layer 2 w20: v1(5335,4970) 5335.98,4970 5345.98,4960 5522.28,4960 J1.10@5590.55,4891.73
  Bottom Layer w10: v1(4874.59,3798.64) 4898.21,3822.26 4898.21,3890.83 5033.37,4026 5181.63,4026 5314.56,3893.07 5314.56,3835.19 5327.37,3822.37 5352.12,3797.62 5352.12,3785.2 5336.22,3769.29 5336.22,3760.81 5348.94,3748.08 5357.43,3748.08 5373.33,3763.98 5385.76,3763.98 5426.75,3723 5790.92,3723 5841.81,3773.89 5841.81,3853.19 v1(5815,3880)
  Bottom Layer w20: J1.10@5590.55,4891.73 5695,4787.28 5695,4440 5576.06,4321.06 5576.06,4133.94 5814.31,3895.69 5814.31,3880.69 v1(5815,3880)
"RS485B DIR": R41A.2 U1.55 U7A.2 U7A.3 | length 1298.5
  Top Layer w10: U1.55@3944.53,4506.38 3944.76,4506.14 3944.76,4435.24 v1(3945,4435) ; v1(4410,3930) 4470,3930 ; 4485,3930 4470,3930 ; 4485.31,3929.68 4505.32,3929.68 ; 4535.29,3929.68 4505.32,3929.68 ; 4537.16,3930.59 4567.48,3930.59 U7A.2@4568.39,3929.68 ; R41A.2@4563.76,4010 4510,4010 4470,3970 4470,3930 ; U7A.3@4568.39,3910 4567.8,3910.59 4524.41,3910.59 4505.32,3929.68
  Bottom Layer w10: v1(3945,4435) 3947.61,4437.61 3947.61,4461.21 3956.39,4470 4005,4470 4015,4460 4015,4395 4175,4235 4175,4075 4320,3930 v1(4410,3930)
"RS485B Y": D14A.1 J1.7 SW6A.2 U7A.6 | length 3254
  Top Layer w10: U7A.6@4741.61,3870.63 4742.52,3869.72 4780.28,3869.72 v1(4825,3825)
  Top Layer w20: D14A.1@5309.37,4617.6 5311.08,4619.31 5334.31,4619.31 v1(5335,4620) ; J1.7@5590.55,4478.35 5583.47,4471.27 5583.47,4413.47 5515,4345 5515,4090 v1(5655,3950) ; v1(5685,3785) 5685,3757.01 SW6A.2@5687.01,3755
  Mid-Layer 2 w20: v1(5335,4620) 5410,4545 5523.9,4545 J1.7@5590.55,4478.35
  Bottom Layer w10: v1(4825,3825) 4825,3845 4825,3850 4816.21,3858.79 4805.71,3858.79 4799.71,3864.79 4799.71,3882.79 4805.71,3888.79 4816.21,3888.79 4825,3897.57 4825,3923.81 4825,3925 4828.9,3928.9 4832.44,3932.44 4832.44,3944.86 4803.45,3973.85 4803.45,3982.33 4816.18,3995.06 4824.67,3995.06 4855.81,3963.92 4864.3,3963.92 4877.02,3976.64 4877.02,3985.13 4845.88,4016.27 4845.88,4024.76 4858.61,4037.49 4867.09,4037.49 4898.24,4006.34 4906.72,4006.34 4919.45,4019.07 4919.45,4027.56 4888.31,4058.7 4888.31,4067.19 4901.04,4079.91 4909.52,4079.91 4938.5,4050.93 4950.93,4050.93 4957.71,4057.71 4958,4058 4963,4058 4971.79,4066.79 4971.79,4078.57 4977.79,4084.57 4995.79,4084.57 5001.79,4078.57 5001.79,4064 5007.79,4058 5025.79,4058 5031.79,4064 5031.79,4078.57 5037.79,4084.57 5055.79,4084.57 5061.79,4078.57 5061.79,4064 5067.79,4058 5085.79,4058 5091.79,4064 5091.79,4078.57 5097.79,4084.57 5115.79,4084.57 5121.79,4078.57 5121.79,4064 5127.79,4058 5145.79,4058 5151.79,4064 5151.79,4078.57 5157.79,4084.57 5175.79,4084.57 5181.79,4078.57 5181.79,4066.79 5190.57,4058 5196.16,4058 5197,4058 5205,4050 5208.54,4046.46 5220.96,4046.46 5236.01,4061.51 5244.49,4061.51 5257.22,4048.78 5257.22,4040.3 5239.15,4022.22 5239.15,4013.74 5251.87,4001.01 5260.36,4001.01 5278.43,4019.08 5286.92,4019.08 5299.65,4006.35 5299.65,3997.87 5281.57,3979.8 5281.57,3971.31 5294.3,3958.58 5302.79,3958.58 5320.86,3976.66 5329.34,3976.66 5342.07,3963.93 5342.07,3955.44 5327.03,3940.4 5327.03,3927.97 5342.5,3912.5 5343.91,3911.09 5350,3905 5350,3870 5350,3859.67 5350,3852.6 5358.79,3843.81 5371.21,3843.81 5379.98,3852.58 5388.47,3852.58 5401.19,3839.85 5401.19,3831.36 5386.66,3816.83 5386.66,3808.34 5399.39,3795.61 5407.87,3795.61 5422.41,3810.15 5430.89,3810.15 5443.62,3797.42 5443.62,3788.94 5431.05,3776.37 5431.05,3763.95 5440,3755 5444.54,3755 5460,3755 5465,3755 5473.79,3763.79 5473.79,3783.65 5479.79,3789.65 5497.79,3789.65 5503.79,3783.65 5503.79,3763.79 5512.57,3755 5655,3755 v1(5685,3785)
  Bottom Layer w20: v1(5655,3950) 5655,3882.5 5685,3852.5 v1(5685,3785)